# Allegro board SG2042_EVB_V2_0.brd (continued)
## Nets (continued)
TEMP_N: R189.1 U1.C31
TEMP_P: R173.1 U1.D31
TEST_EN: R143.1 R167.2 U1.G41
TEST_MOD: J2005.6 R2490.2 R2491.2
TEST_MODE_BSD: R147.1 R168.2 U1.C41
TEST_MODE_MBIST: R150.1 R169.2 U1.B41
TEST_MODE_SCAN: R153.1 R170.2 U1.J41
TESTEN: R12505.2 U3235.AB4
TMON0: C3374.2 U202.44 U3262.32 U3263.32 U3264.32 U3265.32 U3266.32 U3267.32
TMON1: C3405.2 U202.45 U3268.32
TRST0: R12972.1 U3273.H5
TWARN_VDD_TPU: R2545.2 U202.15
UART0_RX: R205.1 U12.4
UART0_RX_H: J17.17 R2229.2 SW202.2
UART0_TX: R206.1 U12.5
UART0_TX_H: J17.15 R2230.2 SW202.1
UART1_RX: R216.1 U12.8
UART1_RX_H: J17.21 R2233.2 SW202.4
UART1_TX: R218.1 U12.9
UART1_TX_H: J17.19 R2234.2 SW202.3
UART2_CTS: R221.1 U14.1
UART2_CTS_H: J14.4 R2219.2
UART2_RTS: R223.1 U14.3
UART2_RTS_H: J14.6 R2220.2
UART2_RX: R224.1 U14.4
UART2_RX_H: J14.10 R2221.2
UART2_TX: R230.1 U14.5
UART2_TX_H: J14.8 R2222.2
UART3_CTS: R233.1 U14.6
UART3_CTS_H: J14.12 R2223.2
UART3_RTS: R236.1 U14.7
UART3_RTS_H: J14.14 R2224.2
UART3_RX: R238.1 U14.8
UART3_RX_H: J14.18 R2225.2
UART3_TX: R240.1 U14.9
UART3_TX_H: J14.16 R2226.2
UART_RX: R13030.1 R13031.1 U3235.B9
UART_RX_H: R2471.2 SW202.7(B6) SW202.9 SW202.11
UART_TX: R12513.1 R12526.1 U3235.A9
UART_TX_H: R2470.2 SW202.8 SW202.10 SW202.12
UPE_CLKREQN: R12492.2 U3235.AF3
USB1_DN: L1017.3 R12608.1 U3241.42
USB1_DP: L1017.2 R12610.1 U3241.41
USB1_RX_N: C6010.1 R12600.1
USB1_RX_P: C6009.1 R12602.1
USB1_TX_N: C5923.1 R12604.1
USB1_TX_N_L: C5923.2 U3241.36
USB1_TX_P: C5922.1 R12606.1
USB1_TX_P_L: C5922.2 U3241.35
USB2_DM: D523.1 J103.A7 J103.B7 R12716.1
USB2_DN: L1018.2 R12611.1 U3241.51
USB2_DP: D522.1 J103.A6 J103.B6 R12717.1
USB2_DP_16773809: L1018.3 R12609.1 U3241.50
USB2_RX_N: C6008.1 R12601.1
USB2_RX_P: C6007.1 R12603.1
USB2_TX_N: C5919.2 R12605.1
USB2_TX_P: C5918.2 R12607.1
USB3_DN: L1029.3 R12792.1 U3241.59
USB3_DP: L1029.2 R12794.1 U3241.58
USB3_RX_N: C6006.1 R12784.1
USB3_RX_P: C6005.1 R12786.1
USB3_TX_N: C5916.2 R12788.1
USB3_TX_P: C5915.2 R12790.1
USB4_DN: L1030.2 R12795.1 U3241.68
USB4_DP: L1030.3 R12793.1 U3241.67
USB4_RX_N: C6004.1 R12785.1
USB4_RX_P: C6003.1 R12787.1
USB4_TX_N: C5910.1 R12789.1
USB4_TX_N_L: C5910.2 U3241.62
USB4_TX_P: C5912.1 R12791.1
USB4_TX_P_L: C5912.2 U3241.61
USB5_DN: L1007.3 R12453.1 U3259.68
USB5_DP: L1007.2 R12455.1 U3259.67
USB6_DN: L1008.2 R12456.1 U3259.59
USB6_DP: L1008.3 R12454.1 U3259.58
USB7_DN: D589.2 J2045.8 U3259.51
USB7_DP: D590.2 J2045.9 U3259.50
USB7_RX_N: C6093.1 D588.2 J2045.6
USB7_RX_P: C6092.1 D587.2 J2045.5
USB7_TX_N: C6091.2 D586.2 J2045.3
USB7_TX_P: C6090.2 D585.2 J2045.2
USB8_DN: D580.2 J2045.12 U3259.42
USB8_DP: D579.2 J2045.11 U3259.41
USB8_RX_N: C6099.1 D581.2 J2045.14
USB8_RX_P: C6098.1 D582.2 J2045.15
USB8_TX_N: C6097.1 D583.2 J2045.17
USB8_TX_P: C6096.1 D584.2 J2045.18
USB_OUT_3V32: C1668.1 C1669.1 R1141.1 U805.6(VDD)
USBC1_1V05: C5896.2 C5897.2 C5898.2 C5899.2 C5900.1 C5901.1 C5902.1 C5903.1 C5904.1 C5905.1 C5906.1 C5907.1 C5908.1 FB2045.1 U3241.9 U3241.12 U3241.28 U3241.37 U3241.43 U3241.46 U3241.54 U3241.60 U3241.63
USBC1_3V3: C5886.2 C5887.2 C5888.1 C5889.1 C5890.1 C5891.1 C5892.1 C5893.1 C5917.1 FB2043.2 FB2044.1 R12578.1 R12579.1 R12580.1 R12581.1 R12585.1 R12586.1 R12587.1 R12588.1 R12592.2 R12593.2 R12595.1 R12596.1 R12597.1 R12598.1 U3241.15 U3241.29 U3241.40 U3241.49 U3241.57 U3241.66 U3242.7 U3242.8
USBC2_1V05: C6064.2 C6065.2 C6066.2 C6067.2 C6068.1 C6069.1 C6070.1 C6071.1 C6072.1 C6073.1 C6074.1 C6075.1 C6083.1 FB2049.1 U3259.9 U3259.12 U3259.28 U3259.37 U3259.43 U3259.46 U3259.54 U3259.60 U3259.63
USBC2_3V3: C6054.2 C6055.2 C6056.1 C6057.1 C6058.1 C6059.1 C6060.1 C6061.1 C6088.1 FB2047.2 FB2048.1 R12807.1 R12808.1 R12809.1 R12810.1 R12815.1 R12817.1 R12818.1 R12819.1 R12825.2 R12826.2 R12828.1 R12829.1 R12830.1 R12831.1 U3259.15 U3259.29 U3259.40 U3259.49 U3259.57 U3259.66 U3260.7 U3260.8
VEMMC: C541.2 C542.2 C543.2 FB1.2 U2.E6 U2.F5 U2.J10 U2.K9
VMON_N: T3.1(TP) U1.A30
VMON_P: T2.1(TP) U1.B30
VQPS18: U1.BA29 U13.A1(VOUT)
WP#: R12975.1 U3275.3(WP#)
XI: C5688.2 R12498.1 U3235.AC1
XI_10048: C5839.2 U3237.29 X5.1
XO: C5688.1 R12496.1 U3235.AC2
XO_10048: C5839.1 U3237.28(XO) X5.3(X2)
XTAL_32K: R471.2 U1.A31
XTALIN: C5921.2 U3241.31 X6.3(X2)
XTALIN_15483213: C6169.2 U3273.A3 X8.3(X2)
XTALIN_22472304: C6095.2 U3259.31 X7.3(X2)
XTALOUT: R12599.1 U3241.30(XT2)
XTALOUT_15483231: R12952.1 U3273.A2
XTALOUT_22472305: R12832.1 U3259.30(XT2)
N268855: J1.238 R2.1
N268909: J1.140 R3.1
N268955: J1.139 R4.1
N15479175: R12951.1 U3273.G1
N15493907: R12966.1 R12967.1 U3273.N6
N15520064: R12955.1 U3273.V21
N15561118: R12960.1 U3273.B18
N15561318: R12954.1 U3273.V19
N15561402: TP42.1(TP) U3273.AB23
N15561454: R12959.1 U3273.B22
N15593871: R12968.1 U3273.C12
N16795239: SMCL1.1(TP) U3237.47
N16795593: GPIO1.1(TP) U3237.6
N16796148: LED501.C(CATHODE) R12554.1
N16800835: C577.1 R107.1 X1.1
N16800988: R124.1 X1.3
N16801147: C581.1 R139.1 X2.1
N16801273: R144.1 X2.3
N16801494: C585.1 R161.1 X3.1
N16801627: R186.1 X3.3
N16820738: J2.238 R6.1
N16820747: J2.140 R7.1
N16820756: J2.139 R8.1
N16828823: J3.238 R10.1
N16828836: J3.140 R11.1
N16828849: J3.139 R12.1
N16832496: J4.238 R14.1
N16832505: J4.140 R15.1
N16832514: J4.139 R16.1
N16833185: J10.1(VREF) R105.2
N16833257: J10.11 R118.2 R138.2
N16848150: C1421.2 R445.2 R449.1 U47.1
N16851719: C1420.1 U47.6
N16851931: R443.2 U47.9
N16879443: R36.2 U1.D30
N16879465: C525.2 C526.1 U2.C2
N16880032: D1.1 J8.5 R46.1
N16880080: D7.1 J8.3 R47.1
N16880122: D2.1 J8.7 R49.1
N16880147: D3.1 J8.8 R50.1
N16880195: D4.1 J8.2 R51.1
N16880209: D5.1 J8.1 R53.1
N16880231: D6.1 J8.9 R54.1
N16880255: R52.2 R55.2 U5.B2
N16956946: R257.2 R258.2 U13.B2
N16965254: R137.2 U1.E18
N16965255: R132.2 U1.F18
N16965256: R134.2 U1.J22
N16965257: R135.2 U1.D17
N16965358: R205.2 U1.B38
N16965360: R206.2 U1.A39
N16965714: R216.2 U1.F39
N16965716: R218.2 U1.C37
N16965774: R221.2 U1.B37
N16965784: R223.2 U1.J33
N16965794: R224.2 U1.H34
N16965796: R230.2 U1.A37
N16965854: R233.2 U1.A36
N16965864: R236.2 U1.A38
N16965874: R238.2 U1.H33
N16965876: R240.2 U1.G35
N16965918: R243.2 U1.G20
N16965920: R246.2 U1.C17
N16965958: R247.2 U1.G21
N16965960: R248.2 U1.H22
N16966046: R255.2 U1.D18
N16966110: R249.2 U1.B17
N16966114: R252.2 U1.J19
N16966126: R254.2 U1.H21
N16966457: R211.1 U1.B35
N16966458: R209.1 U1.F35
N16966459: R210.1 U1.D35
N16966460: R207.1 U1.E36
N16966486: R212.1 U1.C35
N16966538: R215.1 U1.F36
N16966548: R217.1 U1.G33
N16966558: R219.1 U1.F34
N16966568: R220.1 U1.H32
N16966578: R222.1 U1.A35
N16966638: R225.1 U1.J39
N16966648: R231.1 U1.H40
N16966658: R232.1 U1.J37
N16966668: R234.1 U1.H39
N16966678: R237.1 U1.C40
N16966738: R239.1 U1.F40
N16966748: R241.1 U1.F38
N16966758: R242.1 U1.J34
N16966768: R244.1 U1.D40
N17048510: R12561.1 U3238.6
N17141953: C573.1 R95.2 Y1.3(OUT)
N17142066: R61.1 U7.27
N17142082: R62.1 U7.26
N17142098: R63.1 U7.25
N17142114: R65.1 U7.24
N17142142: R66.1 U7.23
N17142158: R67.1 U7.22
N17144487: J9.9 R87.1
N17144493: C566.1 T1.1 T1.4 T1.7 T1.10
N17144497: R94.2 T1.24
N17144524: J9.1 T1.23
N17144531: J9.2 T1.22
N17144533: J9.10 R88.1
N17144549: R93.2 T1.21
N17144571: J9.3 T1.20
N17144573: J9.11 R89.1
N17144582: J9.6 T1.19
N17144590: R92.2 T1.18
N17144594: J9.12 R90.1
N17144609: J9.4 T1.17
N17144619: J9.5(TX1-) T1.16
N17144625: R91.2 T1.15
N17144632: J9.7 T1.14
N17144641: J9.8 T1.13
N17144716: C569.1 R91.1 R92.1 R93.1 R94.1
N17150120: C5915.1 U3241.52
N17150149: C5916.1 U3241.53
N17150193: C5918.1 U3241.44
N17150633: LED1.C(CATHODE) R324.1
N17204608: R151.1 U1.H17
N17204609: R145.1 U1.G23
N17204610: R141.1 U1.J21
N17204611: R148.1 U1.E19
N17204612: R142.1 U1.G17
N17204640: R154.1 U1.F20
N17204700: R159.1 U1.F32
N17204710: R160.1 U1.D33
N17204720: R162.1 U1.A33
N17204730: R163.1 U1.G30
N17204740: R172.1 U1.H30
N17204750: R180.1 U1.J30
N17204820: R174.1 U1.F22
N17204830: R184.1 U1.H23
N17204840: R185.1 U1.E21
N17204850: R188.1 U1.H19
N17204860: R190.1 U1.D20
N17204870: R191.1 U1.D21
N17216212: R266.1 U17.1
N17216233: R267.1 U17.2
N17216252: R268.1 U17.4
N17216271: R269.1 U17.5
N17216290: R270.1 U17.7
N17216309: R271.1 U17.8
N17216384: R280.1 U17.27
N17216403: R281.1 U17.26
N17216422: R282.1 U17.30
N17216441: R283.1 U17.29
N17216464: R284.1 U17.24
N17216485: R285.1 U17.23
N17217320: R276.1 Y2.1
N17217322: R277.2 Y2.4
N17217329: R278.2 Y2.5
N17232456: R353.1 U31.4
N17232458: C1233.2 R353.2
N17232516: C1233.1 L7.1 U31.2(SW)
N17232566: C1234.2 R357.1 R2188.2 R2189.2
N17232598: R2188.1 U31.6
N17235218: R339.1 U28.4
N17235220: C1215.2 R339.2
N17235288: C1215.1 L5.1 U28.2(SW)
N17235374: C1220.2 R344.1 R2186.2 R2187.2
N17248882: J2030.42 R12572.2
N17248908: J2030.40 R12573.2
N17250266: LED502.C(CATHODE) R12574.1
N17250268: J2030.10 R12574.2
N17284260: R306.1 U19.4
N17284262: C1169.2 R306.2
N17284332: C1169.1 L1.1 U19.2(SW)
N17284386: C1170.2 R310.2 R311.1 R313.2
N17284418: R310.1 U19.6
N17455755: C3143.1 R470.1 X4.1
N17455787: R471.1 X4.3
N17456600: R472.1 U1.A41
N17456613: R473.1 U1.J38
N17456626: R474.1 U1.F41
N17456639: R475.1 U1.H38
N17507585: C3323.1 J1.146 R489.1 R490.1
N17508768: C3324.1 J2.146 R491.1 R492.1
N17509318: C3325.1 J3.146 R493.1 R494.1
N17509859: C3326.1 J4.146 R495.1 R496.1
N17811578: D520.A R588.1
N17870441: R655.2 U56.9
N17870453: R1305.1 U56.7
N17870502: C1533.1 U56.6
N17870524: C1534.2 R657.2 R659.1 U56.1
N17876519: C1557.1 U60.19
N17876523: C1557.2 L22.1 U60.17
N17876627: C1562.2 C1563.1 C1564.1 C1565.1 C1566.1 C1567.1 C3318.1 L22.2 R685.1 R686.1 R2183.2 R2466.1 R2467.1
N17876753: R675.1 R677.2 R2183.1 U60.6
N17876759: C1562.1 R675.2
N17876871: C3159.1 R676.2 U60.16
N17876927: R682.2 U60.3
N17876931: R680.2 U60.2
N17876935: C1569.1 U60.4
N18066499: R12716.2 U805.5
N18066506: C1672.1 R1141.2 U805.9
N18066514: R12717.2 U805.4
N18071451: R1142.1 U808.4
N18071453: C1673.2 R1142.2
N18071511: C1673.1 L23.1 U808.2(SW)
N18071533: R1143.1 U808.5
N18071559: C1676.2 R1144.2 R1145.1 R1146.2
N18071593: R1144.1 U808.6
N18430898: R1246.2 U1.C29
N18430900: R1247.2 U1.A29
N18430902: R1248.2 U1.B29
N18430904: R1249.2 U1.A28
N18430906: R1250.2 U1.D29
N18430908: R1251.2 U1.C28
N18430910: R1252.2 U1.B28
N18430912: R1253.2 U1.D27
N18431005: R1254.2 U1.D28
N18436137: R1267.2 U1.D22
N18436140: R1268.2 U1.C20
N18503512: R1306.1 U47.7
N18530580: R1311.1 U814.20
N18532801: R1334.1 U814.17
N18532938: R1332.1 U814.18
N18533163: R1312.1 U814.16
N18533409: R1335.1 U814.15
N18537731: R1348.1 U816.4
N18537733: C3160.2 R1348.2
N18537797: C3160.1 L26.1 U816.2(SW)
N18537845: C3163.2 R1350.2 R1351.1 R1352.2
N18537879: R1350.1 U816.6
N18591923: J1.285 R2081.2
N18591926: J1.141 R2082.2
N18592474: J2.285 R2083.2
N18592479: J2.141 R2084.2
N18592893: J3.285 R2085.2
N18592898: J3.141 R2086.2
N18592955: J4.285 R2087.2
N18592960: J4.141 R2088.2
N18761187: R1220.1 U1.B40
N18761202: R1221.1 U1.A40
N18761243: R1224.1 U1.D36
N18761256: R1225.1 U1.G36
N18761269: R1226.1 U1.G39
N18761282: R1227.1 U1.H35
N18761295: R1228.1 U1.E39
N18761308: R1229.1 U1.D38
N18761323: R1230.1 U1.E37
N18761336: R1231.1 U1.E40
N18761349: R1232.1 U1.C38
N18761362: R1233.1 U1.F37
N18761375: R1234.1 U1.H36
N18761388: R1235.1 U1.B39
N18761531: R1222.1 U1.H37
N18761567: R1223.1 U1.D39
N18866551: R2180.1 U813.9
N18869965: R2186.1 U28.6
N19196155: J2034.A11 R12536.2
N19197742: J2033.A11 R12531.2
N19260792: C5766.1 J2033.B14
N19260795: C5756.1 J2033.B15
N19260798: C5759.1 J2033.B19
N19260801: C5772.1 J2033.B20
N19260804: C5778.1 J2033.B23
N19260807: C5779.1 J2033.B24
N19260810: C5782.1 J2033.B27
N19260813: C5783.1 J2033.B28
N19298327: C5767.1 J2034.B14
N19298330: C5768.1 J2034.B15
N19298333: C5771.1 J2034.B19
N19298336: C5773.1 J2034.B20
N19372235: R12499.1 U3236.6
N19372523: R12495.2 U3236.1
N19372526: R12497.2 U3236.2
N19373609: R12510.1 R12521.2 R12522.1
N19374046: R12500.1 U3236.5
N19374159: R12496.2 Y2001.1
N19374182: R12498.2 Y2001.3(OUT)
N19598087: R2207.1 U807.15
N19598088: R2205.1 U807.17
N19598089: R2203.1 U807.20
N19598092: R2206.1 U807.16
N19598093: R2204.1 U807.18
N19598211: R2211.1 U806.20
N19598221: R2212.1 U806.18
N19598231: R2213.1 U806.17
N19598241: R2214.1 U806.16
N19598251: R2215.1 U806.15
N19598261: R2216.1 U806.14
N19598271: R2217.1 U806.13
N19598281: R2218.1 U806.12
N19598691: R2219.1 U14.20
N19598701: R2220.1 U14.18
N19598711: R2221.1 U14.17
N19598721: R2222.1 U14.16
N19598731: R2223.1 U14.15
N19598741: R2224.1 U14.14
N19598751: R2225.1 U14.13
N19598761: R2226.1 U14.12
N19598883: R2227.1 U12.20
N19598893: R2228.1 U12.18
N19598903: R2229.1 U12.17
N19598913: R2230.1 U12.16
N19598943: R2233.1 U12.13
N19598953: R2234.1 U12.12
N19656677: R2106.1 U2009.72
N19658008: R2060.2 U2009.1
N19658025: R2058.2 U2009.2
N19658042: R2059.2 U2009.3
N19658046: R2056.2 U2009.4
N19658132: R2068.1 U2009.65
N19658148: R2069.1 U2009.64
N19658164: R2070.1 U2009.63
N19658180: R2071.1 U2009.62
N19658288: R2073.1 U2009.61
N19659174: R2074.1 U2009.60
N19659190: R2075.1 U2009.59
N19659206: R2054.2 U2009.58
N19659496: R2250.1 U2009.76
N19659550: R2104.2 U2009.5
N19659625: R2076.1 U2009.71
N19659641: R2077.1 U2009.70
N19659658: R2057.2 U2009.69
N19659674: R2072.1 U2009.68
N19659891: R2078.1 U2009.52
N19659907: R2079.1 U2009.51
N19659975: R2251.1 U2009.77
N19660152: R2252.1 U2009.87
N19660154: R2253.1 U2009.86
N19738408: R2299.2 U1.B21
N19746790: C586.2 R173.2 U11.2
N19746810: C586.1 R189.2 U11.3
N19747341: R2304.2 U2009.48
N19747342: R2303.2 U2009.47
N19756934: R2331.2 U2009.38
N19756936: R2332.2 U2009.39
N19756974: R2333.2 U2009.40
N19756976: R2334.2 U2009.41
N19757014: R2335.2 U2009.42
N19757016: R2336.2 U2009.43
N19757054: R2337.2 U2009.44
N19757056: R2338.2 U2009.45
N19909495: R12971.1 U3273.T11 U3273.T13 U3273.T15 U3273.V15
N19909979: R12973.1 U3273.AA9 U3273.AA10 U3273.AA13 U3273.AA14 U3273.AC9 U3273.AC10 U3273.AC13 U3273.AC14
N19910203: SM768_GPIO1.1(TP) U3273.V6
N19910224: SM768_TXD1.1(TP) U3273.E6
N19910236: SM768_RXD1.1(TP) U3273.F7
N19911399: FB2017.2 R2254.2 R2255.2 U2010.19(VCCB)
N19927520: R1214.2 U1.A21
N19927533: R1215.2 U1.B23
N19927546: R1216.2 U1.D24
N19927559: R1217.2 U1.A24
N19927572: R1218.2 U1.B24
N19927577: R1219.2 U1.B22
N20151386: C6168.1 R12952.2 X8.1
N20196869: C1743.1 C1744.1 C1745.1 C1746.1 FB1110.2 J1104.A9 J1104.A10 J1104.B8
N20206252: C3294.1 C3295.1 C3296.1 C3297.1 FB2019.2 J2046.A9 J2046.A10 J2046.B8
N20225121: R12968.2 R12969.1
N20225124: R12969.2 R12970.1
N20251326: R274.1 U17.9
N20251336: R275.1 U17.10
N20276926: TP41.1(TP) U3273.C19
N20423655: Q403.1 R2441.2
N20449661: Q2009.1 R2443.2
N20451057: R2445.1 U2009.80
N20451254: Q2008.1 R2446.2
N20453905: LED500.C(CATHODE) Q2010.3
N20453966: Q2010.1 R2080.2
N20782835: R2470.1 U805.25
N20782838: R2471.1 U805.26
N20957708: R2490.1 U2009.56
N21554490: R2514.1 U2019.4
N21554492: C3356.2 R2514.2
N21554558: C3356.1 L27.1 U2019.2(SW)
N21554606: C3359.2 R2516.2 R2517.1 R2518.2
N21554640: R2516.1 U2019.6
N21574591: R2525.1 U17.22
N21574603: R2526.1 U17.21
N21661452: R2091.1 U2009.91
N21661454: R2092.1 U2009.90
N21672689: R2529.2 R2532.2 U202.13
N21672825: C3369.2 R2530.1 R2531.1 U202.39
N21672932: C3369.1 R2533.1 R2534.1 U202.40
N21672961: C3371.1 U3262.25
N21673025: C3371.2 U3262.24
N21673061: L40.1 U3262.9 U3262.10 U3262.11 U3262.12 U3262.13 U3262.14 U3262.15 U3262.16
N21673231: C3377.1 R2537.1 U202.38
N21673315: C3385.2 C3386.2 R2538.1 R2539.2 U202.22
N21674060: R2551.2 U202.41
N21674200: R2568.2 U202.21
N21674238: C3406.1 R2555.1 U202.26
N21674327: R2557.2 R2562.2 U202.14
N21674574: C3412.1 U3268.25
N21674620: C3412.2 U3268.24
N21674659: L45.1 U3268.9 U3268.10 U3268.11 U3268.12 U3268.13 U3268.14 U3268.15 U3268.16
N21678097: C3421.1 U3263.25
N21678116: C3421.2 U3263.24
N21678126: L39.1 U3263.9 U3263.10 U3263.11 U3263.12 U3263.13 U3263.14 U3263.15 U3263.16
N21679333: C3434.1 U3264.25
N21679352: C3434.2 U3264.24
N21679362: L41.1 U3264.9 U3264.10 U3264.11 U3264.12 U3264.13 U3264.14 U3264.15 U3264.16
N21680686: C3447.1 U3265.25
N21680705: C3447.2 U3265.24
N21680715: L42.1 U3265.9 U3265.10 U3265.11 U3265.12 U3265.13 U3265.14 U3265.15 U3265.16
N21683348: C3464.1 U3266.25
N21683358: C3465.1 U3267.25
N21683389: C3464.2 U3266.24
N21683398: C3465.2 U3267.24
N21683411: L43.1 U3266.9 U3266.10 U3266.11 U3266.12 U3266.13 U3266.14 U3266.15 U3266.16
N21683418: L44.1 U3267.9 U3267.10 U3267.11 U3267.12 U3267.13 U3267.14 U3267.15 U3267.16
N21689966: C3482.1 R2563.1 U202.36
N21690209: C3483.1 R2564.1 U202.34
N21690373: C3484.1 R2565.1 U202.32
N21690544: C3485.1 R2566.1 U202.30
N21690722: C3486.1 R2567.1 U202.28
N21733065: R2474.2 U807.9
N21733151: R2209.1 U807.13
N21733164: R2306.1 U807.12
N21807414: R2579.1 U2027.4
N21807416: C3507.2 R2579.2
N21807498: C3507.1 L38.1 U2027.2(SW)
N21807565: C3510.2 R2583.2 R2584.1 R2586.2
N21807597: R2583.1 U2027.6
N21809707: R2588.1 U2009.97
N21809710: R2587.1 U2009.98
N22234325: C5919.1 U3241.45
N22240089: C5859.2 U3239.1(SS)
N22240091: R12559.1 U3239.10
N22240106: R12560.2 U3239.2
N22264547: R12612.1 U3243.1(OUT)
N22264608: C5926.1 R12614.2 U3243.4
N22264614: R12616.1 U3243.3
N22267659: R12796.1 U3256.1(OUT)
N22267720: C6041.1 R12798.2 U3256.4
N22267726: R12800.1 U3256.3
N22269759: R12613.1 U3244.1(OUT)
N22269806: C5931.1 R12615.2 U3244.4
N22269812: R12617.1 U3244.3
N22270395: R12797.1 U3257.1(OUT)
N22270442: C6045.1 R12799.2 U3257.4
N22270448: R12801.1 U3257.3
N22271363: C5914.2 U3241.10
N22271367: C5911.2 U3241.11
N22271436: C5909.1 U3241.7
N22271461: C5913.1 U3241.8
N22271543: R12584.2 U3241.2
N22280268: J2036.A11 R12539.2
N22281151: C5800.1 J2036.B14
N22281185: C5801.1 J2036.B15
N22307111: R12484.1 U3234.4
N22307113: C5665.2 R12484.2
N22307187: C5665.1 L1011.1 U3234.2(SW)
N22307251: C5668.2 R12487.2 R12488.1 R12490.2
N22307283: R12487.1 U3234.6
N22375085: C5981.1 U3251.19
N22375089: C5981.2 L1027.1 U3251.17
N22375306: R12663.1 R12665.2 R12666.1 U3251.6
N22375312: C5986.1 R12663.2
N22375431: C5993.1 R12664.2 U3251.16
N22375483: R12667.2 U3251.3
N22375487: R12669.2 U3251.2
N22375489: C5992.1 U3251.4
N22383133: R2199.1 U2004.6
N22383241: R2200.1 U2005.6
N22384545: R12670.1 U3252.4
N22384547: C5996.2 R12670.2
N22384621: C5996.1 L1028.1 U3252.2(SW)
N22384685: C5999.2 R12673.2 R12674.1 R12676.2
N22384717: R12673.1 U3252.6
N22385701: R12678.1 U2009.66
N22449644: C6002.2 R12697.1 U3253.24
N22454720: R12696.2 U3253.23
N22455181: R12695.2 U3253.18
N22456494: R12702.1 U3253.4
N22456495: R12705.1 U3253.5
N22456496: R12710.1 U3253.13
N22456497: R12708.1 U3253.11
N22456498: R12715.1 U3253.16
N22456499: R12706.1 U3253.8
N22456500: R12713.1 U3253.14
N22456501: R12703.1 U3253.3
N22456502: R12700.1 U3253.2
N22456503: R12704.1 U3253.6
N22456504: R12711.1 U3253.12
N22456505: R12709.1 U3253.10
N22456506: R12707.1 U3253.7
N22456507: R12714.1 U3253.17
N22456508: R12712.1 U3253.15
N22456509: R12701.1 U3253.1
N22467259: C6004.2 U3241.65
N22467260: C6003.2 U3241.64
N22467296: C6005.2 U3241.55
N22467306: C6006.2 U3241.56
N22467336: C6007.2 U3241.47
N22467346: C6008.2 U3241.48
N22467376: C6009.2 U3241.38
N22467386: C6010.2 U3241.39
N22469514: C6011.2 U3254.1(SS)
N22469516: R12725.1 U3254.10
N22469531: R12724.2 U3254.2
N22472265: TP40.1(TP) U3259.3
N22472266: TP38.1(TP) U3259.13
N22472271: TP39.1(TP) U3259.1
N22472275: R12820.2 U3259.18
N22472286: R12822.2 U3259.19
N22472288: R12823.2 U3259.16
N22472290: R12826.1 U3260.3(WP#)
N22472308: R12827.2 U3259.33
N22472317: C6094.1 R12832.2 X7.1
N22472345: C6096.2 U3259.35
N22472347: C6097.2 U3259.36
N22472357: R12815.2 U3259.20
N22472358: R12818.2 U3259.21
N22472359: R12819.2 U3259.23
N22472360: R12817.2 U3259.22
N22472377: R12828.2 U3259.24
N22472378: R12829.2 U3259.26
N22472379: R12830.2 U3259.25
N22472380: R12831.2 U3259.27
N22472407: C6090.1 U3259.44
N22472408: C6091.1 U3259.45
N22472417: C6077.1 U3259.7
N22472419: C6079.1 U3259.8
N22472422: R12816.2 U3259.2
N22472429: C6092.2 U3259.47
N22472430: C6093.2 U3259.48
N22472431: C6098.2 U3259.38
N22472432: C6099.2 U3259.39
N22487535: C6015.1 C6016.1 C6017.1 D557.1(K) F415.2 J2038.2
N22488220: C6018.1 C6019.1 C6020.1 D558.1(K) F416.2 J2039.2
N22488934: C6021.1 C6022.1 C6023.1 D559.1(K) F417.2 J2040.2
N22489675: C6024.1 C6025.1 C6026.1 D560.1(K) F418.2 J2041.2
N22491475: Q2029.1 R12730.1
N22493926: Q2031.1 R12733.1
N22494740: Q2033.1 R12736.1
N22495760: Q2030.1 R12739.1
N22495825: Q2032.1 R12742.1
N22495890: Q2034.1 R12745.1
N22500431: Q2018.1 R12747.2 R12768.1
N22501064: Q2020.1 R12751.2 R12769.1
N22501650: Q2022.1 R12755.2 R12770.1
N22502522: Q2024.1 R12759.2 R12771.1
N22503786: Q2025.1 R12764.2
N22503799: Q2026.1 R12765.2
N22503804: Q2027.1 R12766.2
N22503809: Q2028.1 R12767.2
N22513936: R12833.1 U3261.1(OUT)
N22513987: C6101.1 R12834.2 U3261.4
N22513993: R12835.1 U3261.3
N22746014: C6124.2 U3269.25
N22746016: C6124.1 R12836.1
N22746018: L1031.1 R12836.2 U3269.2 U3269.3
N22746020: R12837.1 U29.1
N22746024: C6105.1 R12837.2
N22746026: C6105.2 L1032.1 U29.20
N22746220: C6129.1 R12849.1 R12850.2 U3269.22
N22746352: C6131.2 R12848.1 R12852.2 R12855.2 U3269.24
N22746388: R12838.2 R12840.1 R12841.2 U29.7
N22746392: C6109.1 R12838.1
N22746398: C6132.2 R12848.2 U3269.5
N22746554: C6117.1 U29.19
N22746603: R12851.1 U3269.20
N22746652: R12843.1 U29.4
N22746663: C6118.1 C6120.2 U29.5
N22746691: R12844.2 U29.3
N22746711: R12852.1 R12853.1 U3269.17
N22746801: R12854.2 R12855.1 R12857.1 U3269.12
N22746833: R12856.2 U3269.18
N22746994: C6135.2 U3270.25
N22746996: C6135.1 R12845.1
N22746998: L1033.1 R12845.2 U3270.2 U3270.3
N22747134: R12860.1 U3271.1
N22747138: C6139.1 R12860.2
N22747140: C6139.2 L1034.1 U3271.20
N22747173: C6138.1 R12861.1 R12863.2 U3270.22
N22747251: C6141.2 R12862.1 R12868.2 R12872.2 U3270.24
N22747327: C6142.2 R12862.2 U3270.5
N22747453: R12864.2 R12866.1 R12869.2 U3271.7
N22747457: C6149.1 R12864.1
N22747543: R12867.1 U3270.20
N22747573: C6148.1 U3271.19
N22747673: R12868.1 R12870.1 U3270.17
N22747709: R12877.1 U3271.4
N22747725: C6152.1 C6154.2 U3271.5
N22747745: R12871.2 R12872.1 R12874.1 U3270.12
N22747765: R12878.2 U3271.3
N22747789: R12873.2 U3270.18
N22912503: D521.1 FB1106.2 J103.A4_B9 J103.B4_A9(VBUS2)
N22960256: C6155.1 U3272.19
N22960260: C6155.2 L1035.1 U3272.17
N22960477: R12913.1 R12915.2 R12916.1 U3272.6
N22960483: C6160.1 R12913.2
N22960489: R12914.1 U3272.8
N22960602: C6167.1 R12914.2 U3272.16
N22960654: R12917.2 U3272.3
N22960658: R12919.2 U3272.2
N22960660: C6166.1 U3272.4
N23003581: J2005.5 R2021.2
N23003605: J2005.4 R2025.2
N23003629: J2005.3 R2023.2
N23003645: J2005.2 R2024.2
N23006539: R12923.2 U2009.16
N23036135: R12924.2 U2009.17
N23036659: R12939.1 U3235.AE6
N23036660: R12936.1 U3235.AF5
N23036661: R12937.1 U3235.AD6
N23036662: R12934.1 U3235.AE4
N23036663: R12935.1 U3235.AE5
N23036664: R12931.1 U3235.AD4
N23036993: R12945.1 U3235.AD10
N23037010: R12946.1 U3235.AE10
N23037065: R12943.1 U3235.AD8
N23037082: R12944.1 U3235.AE8
N23037197: R12932.1 U3235.AA6
N23037214: R12938.1 U3235.AB6
N23048618: Q2035.1 R12927.1
N23048633: Q2036.1 R12930.1
N23059317: R2520.1 U814.14
N23059330: R2521.1 U814.13
N23059343: R2522.1 U814.12
N23133443: C6202.1 U3273.A9
N23133452: C6204.1 U3273.B9
N23133507: C6203.1 U3273.A5
N23133516: C6205.1 U3273.B5
N23135114: R12977.1 U3276.4
N23135116: C6215.2 R12977.2
N23135180: C6215.1 L1036.1 U3276.2(SW)
N23135228: C6218.2 R12979.2 R12980.1 R12982.2
N23135264: R12979.1 U3276.6
N23135692: R12983.1 U3277.4
N23135694: C6221.2 R12983.2
N23135758: C6221.1 L1037.1 U3277.2(SW)
N23135806: C6224.2 R12985.2 R12986.1 R12988.2
N23135842: R12985.1 U3277.6
N23136286: R12989.1 U3278.4
N23136288: C6227.2 R12989.2
N23136352: C6227.1 L1038.1 U3278.2(SW)
N23136400: C6230.2 R12991.2 R12992.1 R12994.2
N23136436: R12991.1 U3278.6
N23136966: R12995.2 U2009.29
N23136968: R12996.2 U2009.30
N23137006: R12997.2 U2009.31
N23137008: U2009.32
N23137270: C6235.1 R12998.1 X9.1
N23137310: R12999.1 X9.3
N23138181: R13000.1 U3273.W7
N23138221: R13001.1 U3273.W8
N23138241: R13002.1 U3273.V9
N23138261: R13003.1 U3273.V11
N23138461: R13004.1 U3273.AC7
N23138481: R13005.1 U3273.AC8
N23138501: R13006.1 U3273.AB9
N23138521: R13007.1 U3273.AB10
N23138573: R13008.1 U3273.AC11
N23138583: R13009.1 U3273.AC12
N23138593: R13010.1 U3273.AA11
N23138603: R13011.1 U3273.AA12
N23142129: R13012.1 U3273.AA7
N23142149: R13013.1 U3273.AA8
N23142169: R13014.1 U3273.W9
N23142189: R13015.1 U3273.W10
N23295088: R13016.1 U3279.1(OUT)
N23295135: C6249.1 R13017.2 U3279.4
N23295141: R13018.1 U3279.3
N23300322: R13019.1 U3280.1(OUT)
N23300369: C6250.1 R13020.2 U3280.4
N23300375: R13021.1 U3280.3
N23301189: R13022.1 U3281.1(OUT)
N23301236: C6251.1 R13023.2 U3281.4
N23301242: R13024.1 U3281.3
N23341944: C6248.1 J2047.H13
N23344605: R13025.1 U3235.AE11
N23344615: R13026.1 U3235.AF11
N23344625: R13027.1 U3235.AB11
N23344635: R13028.1 U3235.AC11
N23505446: R13029.1 U2009.54
N23535960: C6252.1 U3273.A11
N23535963: C6253.1 U3273.B11
N23535975: C6254.1 U3273.A7
N23535978: C6255.1 U3273.B7
N23536124: C6256.1 U3259.10
N23536127: C6257.1 U3259.11
N23570718: C6260.2 U3235.H1
N23570719: C6271.2 U3235.W2
N23570720: C6270.2 U3235.V2
N23570721: C6267.2 U3235.R2
N23570722: C6266.2 U3235.P2
N23570723: C6263.2 U3235.L2
N23570724: C6273.2 U3235.AA1
N23570725: C6262.2 U3235.K2
N23570726: C6272.2 U3235.Y1
N23570727: C6269.2 U3235.U1
N23570728: C6268.2 U3235.T1
N23570729: C6259.2 U3235.G2
N23570730: C6265.2 U3235.N1
N23570731: C6258.2 U3235.F2
N23570732: C6264.2 U3235.M1
N23570733: C6261.2 U3235.J1
N27750614: TP35.1(TP) U3241.3
N27750642: TP37.1(TP) U3241.13
N27750695: TP36.1(TP) U3241.1
N27750765: R12589.2 U3241.18
N27750814: R12590.2 U3241.19
N27750846: R12591.2 U3241.16
N27750892: R12593.1 U3242.3(WP#)
N27751007: R12594.2 U3241.33
N27751184: C5920.1 R12599.2 X6.1
N172017850: R450.1 U47.5(VOSNS)
N172172761: R272.2 Y2.2
N178115841: D520.C(CATHODE) Q501.3
N178115910: Q501.1 R580.1
N178704724: R660.1 U56.5(VOSNS)
N185890460: LED500.A R576.1
N199113838: R2247.1 U2010.15
N199113839: R2389.1 U2010.16
N1714183128: R68.2 U7.13
N1991138310: R2386.1 U2010.20
N1991138316: R2248.1 U2010.14
N1991138317: R2388.1 U2010.17
N1991138318: R2387.1 U2010.18
N2175711473: R12905.1 U3235.A3
N2274594611: R12854.1 U3269.11
N2274694211: R12871.1 U3270.11
N2309953910: TP43.1(TP) U3273.B3
N2309953911: TP44.1(TP) U3273.G5
N2309953912: TP45.1(TP) U3273.E5
N2309953913: TP46.1(TP) U3273.F5

Pads without a net: ATXPWR1 14 20; ID1 1; ID2 1; ID3 1; ID4 1; ID5 1; ID6 1; J1 144 205 227 230 235; J2 144 205 227 230 235; J3 144 205 227 230 235; J4 144 205 227 230 235; J7 1 2 19 20 21 22 23 24; J10 2 17 19; J103 A5 A8 B5 B8; J201 1; J1104 A1 A5 A6 A7 A8 A19 A32 A33 A50 B9 B17 B30 B31 B48 B81 B82; J2030 6 8 20 22 24 26 28 30 32 34 36 38 46 48 56 58 67 68 69; J2033 1 2 A1 A5 A6 A7 A8 A19 A32 B9 B11 B12 B17 B30 B31; J2034 1 2 A1 A5 A6 A7 A8 A19 A25 A26 A29 A30 A32 B9 B11 B12 B17 B23 B24 B27 B28 B30 B31; J2036 1 2 A1 A5 A6 A7 A8 B9 B11 B12 B17; J2046 A1 A5 A6 A7 A8 A19 A32 A33 B9 B17 B30 B31 B48; J2047 H14; NOREF#7 1; NOREF#10 1; NOREF#20 1; NOREF#22 1; NOREF#23 1; NOREF#24 1; NOREF#25 1; NOREF#26 1; R2227 2; R2228 2; U1 B36 D37 G38 J35; U2 A1 A2 A7 A8 A9 A10 A11 A12 A13 A14 B1 B3 B4 B5 B6 B7 B8 B9 B10 B11 B12 B13 B14 C1 C3 C5 C7 C8 C9 C10 C11 C12 C13 C14 D1 D2 D3 D4 D12 D13 D14 E1 E2 E3 E5 E8 E9 E10 E12 E13 E14 F1 F2 F3 F10 F12 F13 F14 G1 G2 G3 G10 G12 G13 G14 H1 H2 H3 H12 H13 H14 J1 J2 J3 J12 J13 J14 K1 K2 K3 K6 K7 K10 K12 K13 K14 L1 L2 L3 L12 L13 L14 M1 M2 M3 M7 M8 M9 M10 M11 M12 M13 M14 N1 N3 N6 N7 N8 N9 N10 N11 N12 N13 N14 P1 P2 P7 P8 P9 P10 P11 P12 P13 P14; U7 35; U11 4 6; U12 1 3 6 7 14 15; U17 14 16 17 36; U29 9; U202 9 11 12 46 47 48; U805 1 2 10 11 12 13 14 15 16 17 18 19 20 21 22 23 24 27 28; U807 7 14; U2001 7; U2009 8 9 12 13 18 23 24 25 33 34 46 53 57 67 73 78 79 81 82 83 84 85 88 89 92 93 95 96; U2010 8 9 12 13; U3235 A5 A21 A22 A23 A25 AB5 AB7 AB9 AB24 AB25 AC3 AC5 AC7 AC9 AC24 AD3 AE3 AE7 AE9 AE25 AF7 AF9 AF24 AF25 B4 B5 B10 B20 B22 B23 B24 B26 C2 C3 C4 C9 C20 C21 C22 C24 C25 C26 D1 D2 D3 D4 D9 D10 D21 D24 D26 E1 E3 E9 E10; U3237 4 5; U3239 9; U3254 9; U3259 52 53 55 56 61 62 64 65; U3262 5 36; U3263 5 36; U3264 5 36; U3265 5 36; U3266 5 36; U3267 5 36; U3268 5 36; U3269 6 7 8 13 19; U3270 6 7 8 13 19; U3271 9; U3273 A15 A16 A17 A19 A20 A21 AA1 AA2 AA3 AA4 AA5 AA15 AA16 AA18 AA19 AA20 AA21 AA22 AA23 AB1 AB2 AB3 AB4 AB5 AB6 AB13 AB14 AB18 AB19 AB20 AB21 AB22 AC1 AC2 AC3 AC4 AC5 AC15 AC16 AC18 AC20 AC21 AC22 AC23 B15 B16 C1 C2 C3 C4 C5 C6 C8 C14 C15 C16 C17 C18 C20 C21 C22 D1 D2 D3 D21 D22 D23 E1 E2 E3 E7 E8 E10 E11 E12 E13 E14 E15 E16 E17 E18 E19 E21 E22 E23 F1 F2 F3 F6 F8 F11 F12 F13 F14 F16 F17 F18 F19 F21 F22 F23 G2 G3 G6 G18 G19 G21 G22 G23 H2 H3 H6 H18 H19 H21 H22 H23 J1 J2 J3 J5 J18 J19 J21 J22 J23 K1 K2 K3 K5 K18 K19 K21 K22 K23 L1 L2 L3 L5 L6 L18 L19 L21 L22 L23 M1 M2 M3 M5 M6 M16 M18 M19 M21 M22 M23 N1 N2 N3 N5 N18 N19 N22 N23 P1 P2 P3 P5 P6 P15 P16 R1 R2 R3 R6 R18 R19 T1 T2 T3 T6 T18 T19 U2 U3 U18 U19 V1 V2 V3 V7 V8 V10 V12 V13 V16 V18 W1 W2 W3 W13 W14 W16 W17 W18 W19 W21 Y1 Y2 Y3 Y21 Y22

## Via types
v1: diameter 0.406, hole 0.203, TOP to BOTTOM, 9297 vias

## Routing (per net, layer and track width the routed paths; a pad name or vN(x,y) marks a point on that pad's centre or on a via; arc(x,y) is an arc through that point)
3.3V_AUX: length 298
  TOP w0.254: R12506.2 v1(161.44,90.07) R12501.2 ; v1(227.28,230.96) C3231.2 227.19,230.27 U2004.3 ; v1(226.49,231.39) C3334.2 225.8,231.48 U2005.3 ; R1145.2 C1676.1 v1(212.85,211.68)
  ART03 w0.254: v1(161.44,90.07) 161.44,92.15
  ART03 w0.762: v1(226.49,231.39) 226.01,231.88 226.01,257.23 225.45,257.78 225.45,260.07 226.31,260.93 226.31,263.83 225.4,264.74 225.4,283.03 216.76,291.67 216.76,293.5 v1(208.89,301.37)
  ART14 w0.203: v1(213.46,221.26) 214.96,219.76 214.96,216.97 212.85,214.86 v1(212.85,211.68)
  BOTTOM w0.762: FB2046.2 34.82,274.09 32.97,275.95 32.97,291.62 44.5,303.15 207.11,303.15 v1(208.89,301.37)
  vias: v1(114.55,45.72) v1(115.11,45.72) v1(156.46,92.61) v1(157.25,92.61) v1(160.22,135.94) v1(160.22,135.38) v1(160.78,135.94) v1(160.78,135.38) v1(161.34,135.94) v1(161.34,135.38) v1(212.93,222.33) v1(212.93,221.79) v1(212.93,221.26) v1(213.46,222.33) v1(213.46,221.79)
3.3V_AUX_PCIE: length 35.1
  TOP w0.254: C3362.1 54.74,116.33 ; C3362.1 C1738.1 C1737.1 v1(55.19,116.08) ; C3362.1 54.31,116.76 ; R2517.2 C3359.1 v1(19.05,114.35) ; 55.19,75.79 C3310.1 C3309.1 C3302.1 ; C3302.1 C3303.1 54.31,75.79 ; C3302.1 v1(54.31,73.71)
  TOP w0.381: v1(55.22,94.64) C5742.1 C5743.1 54.6,95.51 J2033.B10 ; v1(55.22,33.68) C5788.1 C5789.1 54.6,34.55 J2036.B10 ; J2034.B10 54.6,54.87 C5745.1 C5744.1 v1(55.22,54)
  TOP w0.686: J1104.B10 54.6,117.26 ; J2046.B10 54.6,76.62
  ART14 w0.203: v1(19.05,114.35) 22.23,114.35 24.33,112.24 27.13,112.24 v1(28.63,113.74)
  vias: v1(28.63,114.27) v1(29.16,114.27) v1(29.16,113.74) v1(29.69,114.27) v1(29.69,113.74)
3V3_NVME0: length 18.8
  TOP w0.254: J2030.18 162.56,35.94 ; LED502.A 165.09,30.64 163.55,32.18 ; v1(165.1,45.77) R12568.1 R12569.1 R12570.1 ; J2030.4 162.56,32.44 ; J2030.16 162.56,35.44 ; J2030.74 162.56,49.94 ; J2030.2 162.56,31.94 ; 163.25,49.05 C5868.1 163.68,49.48 ; J2030.70 162.56,48.94 ; J2030.14 162.56,34.94 ; 163.68,35.36 C5869.1 163.25,35.79 ; J2030.12 162.56,34.44 ; J2030.72 162.56,49.44
  vias: v1(163.04,50.16) v1(163.04,49.61) v1(163.04,49.05) v1(163.07,35.79) v1(163.68,35.18)
5V_BP: length 21.3
  TOP w0.229: U3254.8 226.14,92.05 ; 225.14,92.05 U3254.6 224.69,92.71 ; U3254.7 225.64,92.05
  ART05 w0.254: J73.8 219.1,59.05 ; J73.8 217.04,59.05 ; J73.8 218.07,58.02 ; J73.8 218.07,60.08 ; SATA_P2.4 239.72,60.43 ; SATA_P2.4 238.83,59.54 ; SATA_P2.4 238.83,61.32 ; SATA_P2.4 237.94,60.43 ; J2048.8 198.67,59.05 ; J2048.8 197.64,60.08 ; J2048.8 197.64,58.02 ; J2048.8 196.61,59.05
  ART14 w0.254: 238.83,72.72 SATA_P1.4 ; SATA_P1.4 238.83,74.5 ; SATA_P1.4 239.72,73.61 ; SATA_P1.4 237.94,73.61 ; 237.94,60.43 SATA_P2.4 ; SATA_P2.4 238.83,61.32 ; SATA_P2.4 239.72,60.43 ; SATA_P2.4 238.83,59.54
  vias: v1(224.66,90.65) v1(224.66,90.09) v1(225.22,90.09) v1(225.78,90.09) v1(236.91,60.68) v1(236.91,60.12) v1(237.46,60.68) v1(237.46,60.12)
5V_USB_FP: length 7.5
  TOP w0.254: 227.48,151.76 C6104.1 227.91,152.2 ; J2045.1 236.82,153.09 ; J2045.1 236.82,151.44 ; J2045.1 237.65,152.26 ; J2045.1 235.99,152.26 ; 238.82,153.44 J2045.19 ; J2045.19 239.65,154.26 ; J2045.19 238.82,155.09 ; J2045.19 237.99,154.26
12V_BP: length 2.4
  TOP w0.229: 234.87,92.71 U3239.6 235.32,92.05 ; U3239.8 236.32,92.05 ; U3239.7 235.82,92.05
  vias: v1(234.85,90.65) v1(234.85,90.09) v1(235.41,90.09) v1(235.97,90.09)
+3.3V_ATX: length 45.5
  TOP w0.254: 221.82,205.03 C1196.1 ; C1196.1 221.39,205.46 ; C1196.1 222.25,205.46
  TOP w0.508: 237.16,198.88 ATXPWR1.13 ; ATXPWR1.13 240.32,198.88 ; ATXPWR1.13 238.74,200.46 ; ATXPWR1.13 238.74,197.31 ; ATXPWR1.1 234.54,200.46 ; ATXPWR1.1 232.96,198.88 ; ATXPWR1.1 234.54,197.31 ; ATXPWR1.1 236.12,198.88 ; ATXPWR1.2 234.54,204.66 ; ATXPWR1.2 234.54,201.51 ; ATXPWR1.2 236.12,203.08 ; ATXPWR1.2 232.96,203.08
  ART03 w0.508: 234.54,243.51 ATXPWR1.12 ; ATXPWR1.12 232.96,245.08 ; ATXPWR1.12 236.12,245.08 ; ATXPWR1.12 234.54,246.66 ; ATXPWR1.13 240.32,198.88 ; ATXPWR1.13 238.74,200.46 ; ATXPWR1.13 238.74,197.31 ; ATXPWR1.13 237.16,198.88 ; ATXPWR1.1 236.12,198.88 ; ATXPWR1.1 234.54,200.46 ; ATXPWR1.1 234.54,197.31 ; ATXPWR1.1 232.96,198.88 ; 232.96,203.08 ATXPWR1.2 ; ATXPWR1.2 234.54,204.66 ; ATXPWR1.2 234.54,201.51 ; ATXPWR1.2 236.12,203.08
  vias: v1(49.89,130.43) v1(49.89,129.87) v1(49.89,89.79) v1(49.89,89.23) v1(50.44,130.43) v1(50.44,129.87) v1(50.44,89.79) v1(50.44,89.23) v1(50.44,48.16) v1(51,48.16) v1(56.18,70.66) v1(56.18,70.1) v1(56.34,112.09) v1(56.34,111.53) v1(56.34,110.97) v1(56.74,70.66) v1(56.74,70.1) v1(221.26,204.62) v1(221.26,204.06) v1(221.26,203.5) v1(221.82,204.62) v1(221.82,204.06) v1(221.82,203.5) v1(222.38,204.62) v1(222.38,204.06) v1(222.38,203.5)
+5V_ATX: length 7
  TOP w0.254: U2004.4 224.94,230.27 225.55,229.66 225.55,226.57 225.81,226.31 R2198.2
+5V_SB: length 17.8
  TOP w0.254: C3358.1 22.86,112.24 ; C3358.1 22.86,113.11 ; C3358.1 23.29,112.67 ; 214.53,215.93 C1675.1 ; C1675.1 214.96,215.49 ; C1675.1 214.1,215.49 ; R304.1 v1(226.14,175.49) ; R1143.2 v1(211.43,211.91) ; U808.1 213.78,215.79 ; R2515.2 v1(19.02,116.38) ; U2019.1 23.15,113.43
  ART03 w0.254: v1(211.43,211.91) 211.43,212.75 v1(215.44,216.76)
  ART12 w0.508: 234.54,230.91 ATXPWR1.9 ; ATXPWR1.9 236.12,232.48 ; ATXPWR1.9 232.96,232.48 ; ATXPWR1.9 234.54,234.06
  vias: v1(24.13,111.76) v1(24.13,110.95) v1(216.26,216.76)
+12V_ATX: length 32.9
  TOP w0.229: U3239.3 236.32,96.16 ; 235.32,96.16 U3239.5 234.87,95.51 ; U3239.4 235.82,96.16
  TOP w0.254: R2393.2 226.39,236.7 225.8,236.11 U2005.4 ; 236.19,96.65 C5863.1 235.76,97.08
  ART07 w0.508: ATXPWR1.10 236.12,236.68 ; ATXPWR1.10 232.96,236.68 ; ATXPWR1.10 234.54,235.11 ; ATXPWR1.10 234.54,238.26 ; 232.96,240.88 ATXPWR1.11 ; ATXPWR1.11 236.12,240.88 ; ATXPWR1.11 234.54,239.31 ; ATXPWR1.11 234.54,242.46
  PWR08 w0.508: ATXPWR1.11 234.54,242.46 ; ATXPWR1.11 236.12,240.88 ; ATXPWR1.11 232.96,240.88 ; ATXPWR1.11 234.54,239.31 ; ATXPWR1.10 234.54,238.26 ; ATXPWR1.10 234.54,235.11 ; ATXPWR1.10 232.96,236.68 ; ATXPWR1.10 236.12,236.68
  vias: v1(39.37,118.01) v1(39.37,117.45) v1(39.37,116.89) v1(39.37,97.18) v1(39.37,96.62) v1(39.37,96.06) v1(39.37,76.86) v1(39.37,76.3) v1(39.37,75.74) v1(39.37,56.54) v1(39.37,55.98) v1(39.37,55.42) v1(39.37,36.22) v1(39.37,35.66) v1(39.37,35.1) v1(39.93,118.01) v1(39.93,117.45) v1(39.93,116.89) v1(39.93,97.18) v1(39.93,96.62) v1(39.93,96.06) v1(39.93,76.86) v1(39.93,76.3) v1(39.93,75.74) v1(39.93,56.54) v1(39.93,55.98) v1(39.93,55.42) v1(39.93,36.22) v1(39.93,35.66) v1(39.93,35.1) v1(40.49,118.01) v1(40.49,117.45) v1(40.49,116.89) v1(40.49,97.18) v1(40.49,96.62) v1(40.49,96.06) v1(40.49,76.86) v1(40.49,76.3) v1(40.49,75.74) v1(40.49,56.54) v1(40.49,55.98) v1(40.49,55.42) v1(40.49,36.22) v1(40.49,35.66) v1(40.49,35.1) v1(42.82,134.16) v1(43.38,134.16) v1(43.94,134.16) v1(196.77,6.99) v1(196.77,6.43) v1(196.77,5.87) v1(212.55,302.36) v1(212.55,301.8) v1(212.55,301.24) v1(218.57,6.99) v1(218.57,6.43) v1(218.57,5.87) v1(227.46,241) v1(227.46,240.44) v1(227.46,239.88) v1(227.46,239.32) v1(227.46,238.76) v1(228.02,241.55) v1(228.02,241) v1(228.02,240.44) v1(228.02,239.88) v1(228.02,239.32) v1(228.02,238.76) v1(228.57,242.11) v1(228.57,241.55) v1(228.57,241) v1(228.57,240.44) v1(228.57,239.88) v1(228.57,239.32) v1(228.57,238.76) v1(229.13,242.11) v1(229.13,241.55) v1(229.13,241) v1(229.13,240.44) v1(229.13,239.88) v1(229.13,239.32) v1(229.13,238.76) v1(234.85,97.1) v1(234.85,96.55) v1(235.41,97.1) v1(235.41,96.55)
AVDD25: length 24.2
  TOP w0.254: R12992.2 C6230.1 v1(167.67,111.91)
  TOP w0.381: U3273.N21 v1(180.29,102.03) ; U3273.R14 v1(185.89,103.63) ; U3273.N14 v1(185.89,102.03) ; U3273.R23 v1(178.69,103.63) ; U3273.F15 v1(185.09,95.64) ; U3273.P14 v1(185.89,102.83) ; U3273.P21 v1(180.29,102.83)
  ART14 w0.203: v1(167.67,111.91) 167.67,108.74 165.56,106.63 165.56,103.84 v1(167.06,102.34)
  BOTTOM w0.254: v1(182.69,106.03) 182.63,106.1 R12955.2 ; C6174.1 180.97,101.55 ; C6174.1 181.41,101.12 ; C6174.1 C6175.1 ; C6171.1 180.54,103.07 ; 179.68,101.12 C6175.1 ; C6175.1 180.11,101.55 ; 185.7,102.03 C6183.1 C6182.1 185.7,102.9 ; 180.11,102.21 C6170.1 179.68,101.78
  BOTTOM w0.381: C6206.1 184.93,95.81 v1(185.09,95.64) ; C6184.1 178,103.63 v1(178.69,103.63)
  vias: v1(167.06,101.8) v1(167.06,101.27) v1(167.59,102.34) v1(167.59,101.8) v1(167.59,101.27)
GND: length 21909.5
  TOP w0.102: U202.24 196.79,293.74 196.7,293.83 196.49,293.83 196.37,293.7 196.37,292.53 195.76,291.92 195.38,291.92 C3407.2 v1(194.46,291.62)
  TOP w0.203: U29.6 194.86,177.13 v1(195.2,177.47) C6118.2 R12841.1 ; D12.2 v1(231.83,278.41) ; v1(198.88,299.77) U202.10 198.88,297.34 v1(199.29,296.93) 199.68,296.54 ; U5.B1 v1(21.81,277.76) ; R12867.2 R12873.1 v1(47.75,188.21) ; v1(196.39,191.62) 196.37,191.64 C6131.1 195.4,191.64 195.21,191.83 U3269.23 ; 199.68,296.54 U202.8 ; 199.68,296.54 v1(200.28,295.94) ; D523.2 v1(8.64,158.57) ; D523.2 9.14,158.29 ; D523.2 9.47,158.57 ; U3269.21 194.82,191.03 v1(195.1,190.75) 195.1,190.5 195.66,189.94 R12850.1 ; D4.2 v1(15.5,278.8) ; U29.2 v1(193.8,175.53) ; D1.2 v1(15.5,283.09) ; U2.C4 v1(220.2,275.39) ; 8.82,157.41 D521.2 ; D521.2 v1(9.14,157.86) ; D521.2 9.47,157.41 ; U3270.21 45.31,191.03 v1(45.59,190.75) 45.59,190.5 46.15,189.94 R12863.1 ; U3241.34 v1(30.23,147.14) ; D7.2 v1(15.5,279.91) ; C6154.1 v1(49.83,176.63) ; v1(220.7,280.89) U2.P4 U2.N5 U2.P6 v1(219.7,280.89) ; R12851.2 R12856.1 v1(197.26,188.21) ; D3.2 v1(15.5,285.33) ; U2.A6 v1(219.2,273.39) ; U2.K8 v1(218.2,278.89) ; D5.2 v1(15.5,277.68) ; v1(218.2,276.39) 218.7,276.39 U2.E7 ; D9.2 v1(231.83,276.33) ; U3271.2 v1(45.52,175.53) ; D6.2 v1(15.5,286.44) ; U3259.34 v1(224.23,157.61) ; U2.J5 v1(219.7,277.89) ; D522.2 v1(8.64,160) ; U2.G5 v1(219.7,276.89) ; U3271.6 46.58,177.13 v1(46.91,177.47) C6152.2 R12869.1 ; D10.2 v1(231.83,265.05) ; D8.2 v1(231.83,271.96) ; v1(46.89,191.62) 46.86,191.64 C6141.1 45.9,191.64 45.71,191.83 U3270.23 ; C6120.1 v1(198.12,176.63) ; D13.2 v1(231.83,267.33) ; D2.2 v1(15.5,284.21) ; D11.2 v1(231.83,274.24)